# Allegro board RK_NVR_DEMO_RK3568_DDR4P216SD4_V12_20201221YWQ_final.brd (continued)
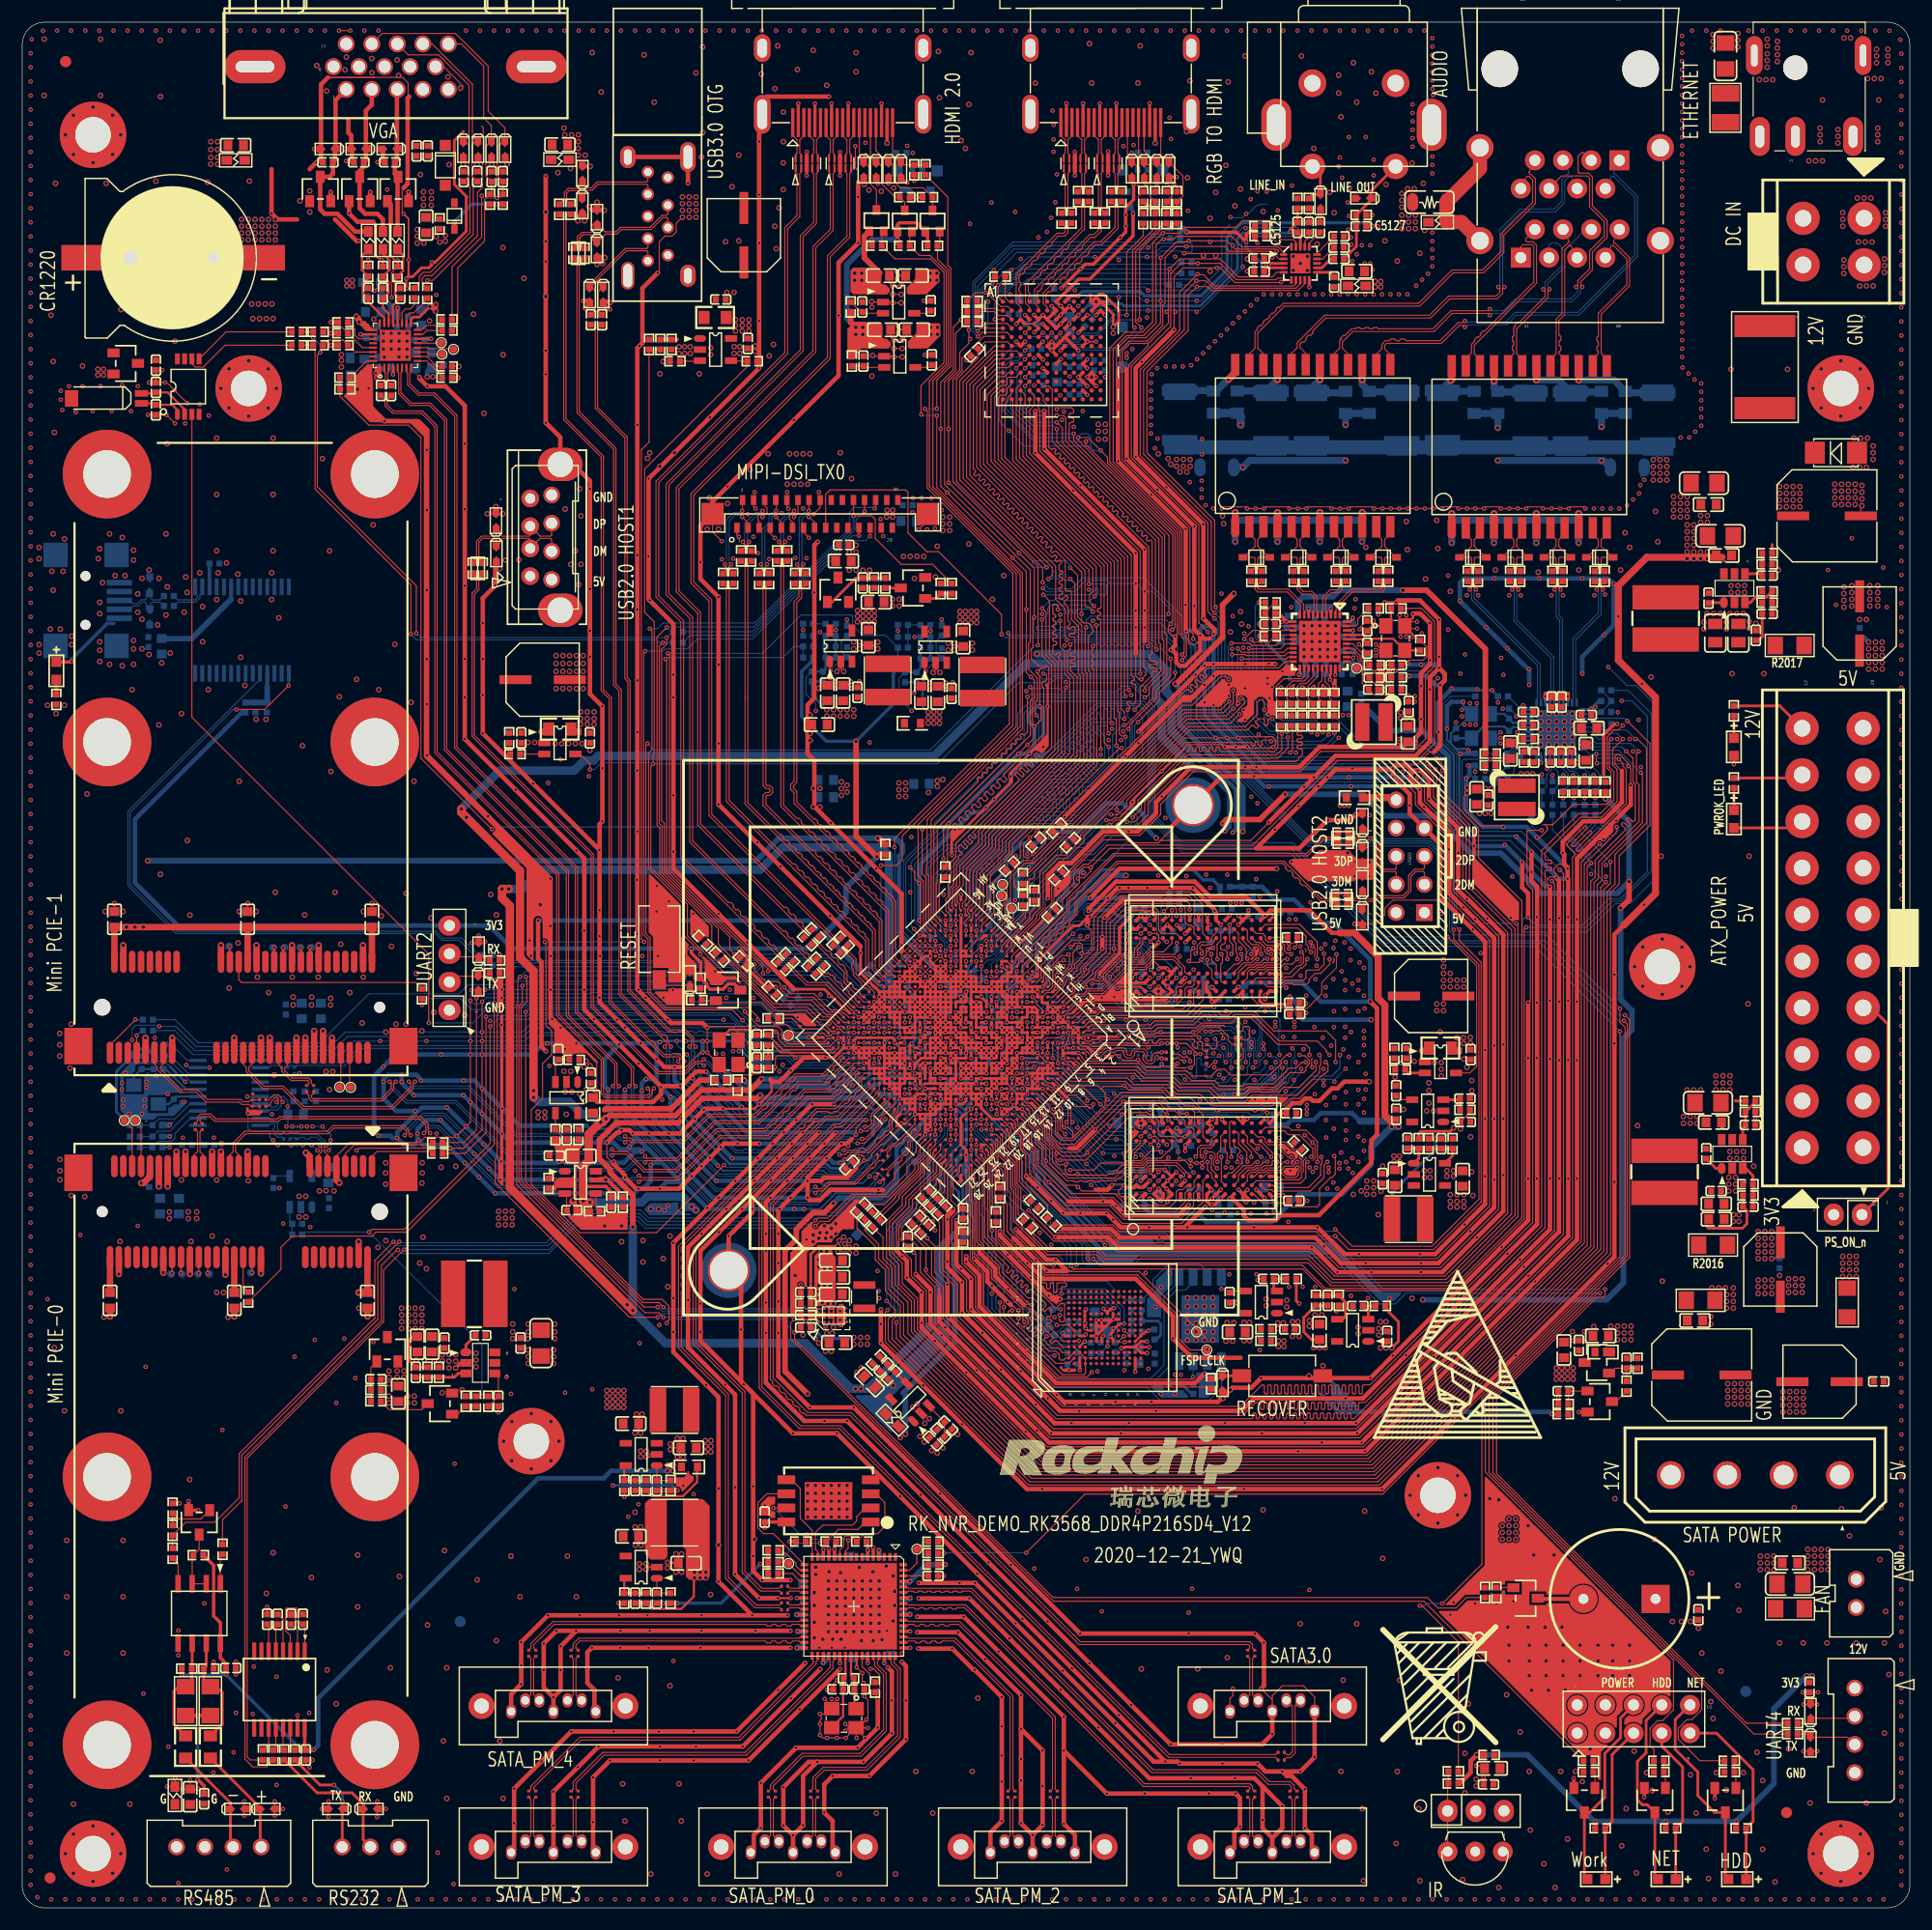
[diagram p0: board, top side]
## Footprints (pads in the part's own frame, mm; a bottom-side part is the same pattern mirrored in y, then rotated) (continued)
C0201
  rect 0.25x0.3 smd: 1(-0.275,0) 2(0.275,0)
C0402
  rect 0.55x0.55 smd: 1(-0.45,0) 2(0.45,0)
C0603
  rect 0.8x0.9 smd: 1(-0.7,0) 2(0.7,0)
C0805
  rect 0.95x1.3 smd: 1(-0.825,0) 2(0.825,0)
C1206
  rect 1.4x1.6 smd: 1(-1.168,0) 2(1.168,0)
C1206L
  oval 1.016x1.626 smd: 1(-1.524,0) 2(1.524,0)
CN2M_2R54_V_DIP
  oval 1.8x2 hole 1: 1(0,0) 2(2.54,0)
CN2M_2R54_V_P_DIP
  round 1.5 hole 1.02: 1(-1.27,0) 2(1.27,0)
CN3M_2R54_V_DIP
  oval 1.8x2 hole 1: 1(0,0) 2(2.54,0) 3(5.08,0)
CN3M_2R54_V_P_DIP
  round 1.5 hole 1.02: 1(-2.54,0) 2(0,0) 3(2.54,0)
CN4M_2R54_V_DIP
  oval 1.8x2 hole 1: 1(0,0) 2(2.54,0) 3(5.08,0) 4(7.62,0)
CN4M_2R54_V_P_DIP
  round 1.5 hole 1.02: 1(-3.81,0) 2(-1.27,0) 3(1.27,0) 4(3.81,0)
CNN4F_4R20_V_H_DIP
  round 3 hole 1.5: 1(0,0) 2(4.2,0) 3(0,-5.5) 4(4.2,-5.5)
CNN10M_2R54_V_DIP
  round 1.8 hole 1: 1(-5.14,-1.343) 2(-5.14,1.197) 3(-2.6,-1.343) 4(-2.6,1.197) 5(-0.06,-1.343) 6(-0.06,1.197) 7(2.48,-1.343) 8(2.48,1.197) 9(5.02,-1.343) 10(5.02,1.197)
CNN20F_4R20_V_H_DIP
  round 3 hole 1.5: 1(0,0) 2(4.2,0) 3(8.4,0) 4(12.6,0) 5(16.8,0) 6(20.999,0) 7(25.199,0) 8(29.399,0) 9(33.599,0) 10(37.799,0) 11(0,-5.5) 12(4.2,-5.5) 13(8.4,-5.5) 14(12.6,-5.5) 15(16.8,-5.5) 16(20.999,-5.5) 17(25.199,-5.5) 18(29.399,-5.5) 19(33.599,-5.5) 20(37.799,-5.5)
CNN30_1R00_FP05SL_V
  rect 0.5x0.9 smd: 1(-7.5,-1.25) 2(-7,1.25) 3(-6.5,-1.25) 4(-6,1.25) 5(-5.5,-1.25) 6(-5,1.25) 7(-4.5,-1.25) 8(-4,1.25) 9(-3.5,-1.25) 10(-3,1.25) 11(-2.5,-1.25) 12(-2,1.25) 13(-1.5,-1.25) 14(-1,1.25) 15(-0.5,-1.25) 16(0,1.25) 17(0.5,-1.25) 18(1,1.25) 19(1.5,-1.25) 20(2,1.25) 21(2.5,-1.25) 22(3,1.25) 23(3.5,-1.25) 24(4,1.25) 25(4.5,-1.25) 26(5,1.25) 27(5.5,-1.25) 28(6,1.25) 29(6.5,-1.25) 30(7,1.25)
  rect 2x2 smd: 31(-9.7,0) 32(9.7,0)
CRY2_6R90X1R40X1R30
  rect 1.2x0.6 smd: 1(-3.45,-0.46) 2(-3.45,0.44)
  rect 1.2x1.5 smd: 3(2.85,0)
CRY4_3R20X2R50X0R80
  rect 1.4x1.2 smd: 1(-1.1,-0.85) 2(1.1,-0.85) 3(1.1,0.85) 4(-1.1,0.85)
CSP20_1R96X1R56X0R66
  round 0.24 smd: A1(-0.6,0.8) A2(-0.2,0.8) A3(0.2,0.8) A4(0.6,0.8) B1(-0.6,0.4) B2(-0.2,0.4) B3(0.2,0.4) B4(0.6,0.4) C1(-0.6,0) C2(-0.2,0) C3(0.2,0) C4(0.6,0) D1(-0.6,-0.4) D2(-0.2,-0.4) D3(0.2,-0.4) D4(0.6,-0.4) E1(-0.6,-0.8) E2(-0.2,-0.8) E3(0.2,-0.8) E4(0.6,-0.8)
DC3_DC_0007_5P
  round 2.2 hole 2.2 unplated: (4.1,0)
  oval 3.5x1.8 hole 2x0.8: 1(10.3,-3.2) 2(10.3,0) 3(10.3,5.2)
  oval 3.5x1.5 hole 2x0.6: 4(3,6.1) 5(3,-3.7)
DO_214AC
  rect 1.8x2 smd: 1(1.9,0) 2(-1.9,0)
DSUB15B
  round 1.524 hole 1.1: 1(0,0) 2(2.3,0) 3(4.6,0) 4(6.9,0) 5(9.2,0) 6(-1.15,2.05) 7(1.15,2.05) 8(3.45,2.05) 9(5.75,2.05) 10(8.05,2.05) 11(0,4.1) 12(2.3,4.1) 13(4.6,4.1) 14(6.9,4.1) 15(9.2,4.1)
  oval 5.5x3 hole 3.5x1: 16(-8.225,2.05) 17(17.145,2.05)
E_C6
  rect 0.8x2.9 smd: 1(0,-2.45) 2(0,2.45)
E_E7
  rect 2.9x0.8 smd: 1(-3.05,0) 2(3.05,0)
ESD0402
  custom 0.868x0.636 smd: 1(-0.635,-0.02)
  custom 0.86x0.636 smd: 2(0.622,0)
F8050
  rect 2x5.5 smd: 1(-3.7,0) 2(3.7,0)
FBGA96_14R00X11R00X1R20
  round 0.38 smd: A1(-3.2,6) A2(-2.4,6) A3(-1.6,6) A7(1.6,6) A8(2.4,6) A9(3.2,6) B1(-3.2,5.2) B2(-2.4,5.2) B3(-1.6,5.2) B7(1.6,5.2) B8(2.4,5.2) B9(3.2,5.2) C1(-3.2,4.4) C2(-2.4,4.4) C3(-1.6,4.4) C7(1.6,4.4) C8(2.4,4.4) C9(3.2,4.4) D1(-3.2,3.6) D2(-2.4,3.6) D3(-1.6,3.6) D7(1.6,3.6) D8(2.4,3.6) D9(3.2,3.6) E1(-3.2,2.8) E2(-2.4,2.8) E3(-1.6,2.8) E7(1.6,2.8) E8(2.4,2.8) E9(3.2,2.8) F1(-3.2,2) F2(-2.4,2) F3(-1.6,2) F7(1.6,2) F8(2.4,2) F9(3.2,2) G1(-3.2,1.2) G2(-2.4,1.2) G3(-1.6,1.2) G7(1.6,1.2) G8(2.4,1.2) G9(3.2,1.2) H1(-3.2,0.4) H2(-2.4,0.4) H3(-1.6,0.4) H7(1.6,0.4) H8(2.4,0.4) H9(3.2,0.4) J1(-3.2,-0.4) J2(-2.4,-0.4) J3(-1.6,-0.4) J7(1.6,-0.4) J8(2.4,-0.4) J9(3.2,-0.4) K1(-3.2,-1.2) K2(-2.4,-1.2) K3(-1.6,-1.2) K7(1.6,-1.2) K8(2.4,-1.2) K9(3.2,-1.2) L1(-3.2,-2) L2(-2.4,-2) L3(-1.6,-2) L7(1.6,-2) L8(2.4,-2) L9(3.2,-2) M1(-3.2,-2.8) M2(-2.4,-2.8) M3(-1.6,-2.8) M7(1.6,-2.8) M8(2.4,-2.8) M9(3.2,-2.8) N1(-3.2,-3.6) N2(-2.4,-3.6) N3(-1.6,-3.6) N7(1.6,-3.6) N8(2.4,-3.6) N9(3.2,-3.6) P1(-3.2,-4.4) P2(-2.4,-4.4) P3(-1.6,-4.4) P7(1.6,-4.4) P8(2.4,-4.4) P9(3.2,-4.4) R1(-3.2,-5.2) R2(-2.4,-5.2) R3(-1.6,-5.2) R7(1.6,-5.2) R8(2.4,-5.2) R9(3.2,-5.2) T1(-3.2,-6) T2(-2.4,-6) T3(-1.6,-6) T7(1.6,-6) T8(2.4,-6) T9(3.2,-6)
HDMIA19_HDMI_01A
  rect 0.3x2.6 smd: 1(0,0) 2(0.5,0) 3(1,0) 4(1.5,0) 5(2,0) 6(2.5,0) 7(3,0) 8(3.5,0) 9(4,0) 10(4.5,0) 11(5,0) 12(5.5,0) 13(6,0) 14(6.5,0) 15(7,0) 16(7.5,0) 17(8,0) 18(8.5,0) 19(9,0)
  oval 1.5x3.5 hole 0.9x2.7: 20(11.75,0.76) 21(-2.75,0.76)
  oval 1.5x2.5 hole 0.9x1.7: 22(-2.75,6.72) 23(11.75,6.72)
HDR_USB
  rect 1.5x1.5 hole 1: 1(0,0)
  round 1.5 hole 1: 2(0,2.54) 3(2.54,0) 4(2.54,2.54) 5(5.08,0) 6(5.08,2.54) 7(7.62,0) 8(7.62,2.54) 10(10.16,2.54)
HOLE_C3R20_C6R00
  round 6 hole 3.2: 1(0,0)
IJ3_IRM_3638
  round 1.778 hole 0.89: 1(-2.489,0) 2(0,0) 3(2.489,0)
IND_252012
  rect 0.7x2 smd: 1(-1.05,0) 2(1.05,0)
IND_303015
  rect 3.4x1.3 smd: 1(0,1.05) 2(0,-1.05)
IND_404026
  rect 1.5x4 smd: 1(-1.5,0) 2(1.5,0)
IND_404030
  rect 1.5x4 smd: 1(-1.5,0) 2(1.5,0)
IND_606045
  rect 2.2x6 smd: 1(-1.9,0) 2(1.9,0)
L0603
  rect 0.965x0.8 smd: 1(-0.8,0) 2(0.8,0)
LED0603
  rect 0.9x0.9 smd: 1(-0.8,0) 2(0.8,0)
MARK
  round 1 smd: 1(0,0)
MINI_PCIE_SLOT
  round 1.5 hole 1.5 unplated: (-12.5,0)
  round 1 hole 1 unplated: (12.5,0)
  oval 0.6x2 smd: 1(-11.8,-4.1) 2(-11.4,4.1) 3(-11,-4.1) 4(-10.6,4.1) 5(-10.2,-4.1) 6(-9.8,4.1) 7(-9.4,-4.1) 8(-9,4.1) 9(-8.6,-4.1) 10(-8.2,4.1) 11(-7.8,-4.1) 12(-7.4,4.1) 13(-7,-4.1) 14(-6.6,4.1) 15(-6.2,-4.1) 16(-5.8,4.1) 17(-2.2,-4.1) 18(-1.8,4.1) 19(-1.4,-4.1) 20(-1,4.1) 21(-0.6,-4.1) 22(-0.2,4.1) 23(0.2,-4.1) 24(0.6,4.1) 25(1,-4.1) 26(1.4,4.1) 27(1.8,-4.1) 28(2.2,4.1) 29(2.6,-4.1) 30(3,4.1) 31(3.4,-4.1) 32(3.8,4.1) 33(4.2,-4.1) 34(4.6,4.1) 35(5,-4.1) 36(5.4,4.1) 37(5.8,-4.1) 38(6.2,4.1) 39(6.6,-4.1) 40(7,4.1) 41(7.4,-4.1) 42(7.8,4.1) 43(8.2,-4.1) 44(8.6,4.1) 45(9,-4.1) 46(9.4,4.1) 47(9.8,-4.1) 48(10.2,4.1) 49(10.6,-4.1) 50(11,4.1) 51(11.4,-4.1) 52(11.8,4.1)
  rect 2.54x3.3 smd: 53(-14.65,-3.5) 54(14.65,-3.5)
  round 8 hole 4.3: 55(-12.065,48.062) 56(12.065,48.062) 57(-12.065,23.912) 58(12.065,23.912)
PJ3_RCA_2X1
  oval 2.7x4.7 hole 1.7x3.7: (-7,0) (7,0)
  round 2.5 hole 1.5: 1(-3.75,3.75) 4(3.75,3.75)
  round 2.3 hole 1.3: 2(-3.75,-3.75) 3(3.75,-3.75)
QFN20_3R00X3R00X0R55_T
  oval 0.7x0.25 smd: 1(-1.5,0.8)
  rect 0.7x0.25 smd: 2(-1.5,0.4) 3(-1.5,0) 4(-1.5,-0.4) 5(-1.5,-0.8) 11(1.5,-0.8) 12(1.5,-0.4) 13(1.5,0) 14(1.5,0.4) 15(1.5,0.8)
  rect 0.25x0.7 smd: 6(-0.8,-1.5) 7(-0.4,-1.5) 8(0,-1.5) 9(0.4,-1.5) 10(0.8,-1.5) 16(0.8,1.5) 17(0.4,1.5) 18(0,1.5) 19(-0.4,1.5) 20(-0.8,1.5)
  rect 1.8x1.8 smd: 21(0,0)
QFN32_4R00X4R00X0R90_T
  oval 0.7x0.2 smd: 1(-2,1.4)
  rect 0.7x0.2 smd: 2(-2,1) 3(-2,0.6) 4(-2,0.2) 5(-2,-0.2) 6(-2,-0.6) 7(-2,-1) 8(-2,-1.4) 17(2,-1.4) 18(2,-1) 19(2,-0.6) 20(2,-0.2) 21(2,0.2) 22(2,0.6) 23(2,1) 24(2,1.4)
  rect 0.2x0.7 smd: 9(-1.4,-2) 10(-1,-2) 11(-0.6,-2) 12(-0.2,-2) 13(0.2,-2) 14(0.6,-2) 15(1,-2) 16(1.4,-2) 25(1.4,2) 26(1,2) 27(0.6,2) 28(0.2,2) 29(-0.2,2) 30(-0.6,2) 31(-1,2) 32(-1.4,2)
  rect 2.8x2.8 smd: 33(0,0)
QFN40_5R00X5R00X0R90_T
  rect 0.65x0.25 smd: 1(-2.4,1.8) 2(-2.4,1.4) 3(-2.4,1) 4(-2.4,0.6) 5(-2.4,0.2) 6(-2.4,-0.2) 7(-2.4,-0.6) 8(-2.4,-1) 9(-2.4,-1.4) 10(-2.4,-1.8) 21(2.4,-1.8) 22(2.4,-1.4) 23(2.4,-1) 24(2.4,-0.6) 25(2.4,-0.2) 26(2.4,0.2) 27(2.4,0.6) 28(2.4,1) 29(2.4,1.4) 30(2.4,1.8)
  rect 0.25x0.65 smd: 11(-1.8,-2.4) 12(-1.4,-2.4) 13(-1,-2.4) 14(-0.6,-2.4) 15(-0.2,-2.4) 16(0.2,-2.4) 17(0.6,-2.4) 18(1,-2.4) 19(1.4,-2.4) 20(1.8,-2.4) 31(1.8,2.4) 32(1.4,2.4) 33(1,2.4) 34(0.6,2.4) 35(0.2,2.4) 36(-0.2,2.4) 37(-0.6,2.4) 38(-1,2.4) 39(-1.4,2.4) 40(-1.8,2.4)
  rect 3.5x3.5 smd: 41(0,0)
QFN64_9R00X9R00X0R90_T
  rect 0.7x0.3 smd: 1(-4.45,3.75) 2(-4.45,3.25) 3(-4.45,2.75) 4(-4.45,2.25) 5(-4.45,1.75) 6(-4.45,1.25) 7(-4.45,0.75) 8(-4.45,0.25) 9(-4.45,-0.25) 10(-4.45,-0.75) 11(-4.45,-1.25) 12(-4.45,-1.75) 13(-4.45,-2.25) 14(-4.45,-2.75) 15(-4.45,-3.25) 16(-4.45,-3.75) 33(4.45,-3.75) 34(4.45,-3.25) 35(4.45,-2.75) 36(4.45,-2.25) 37(4.45,-1.75) 38(4.45,-1.25) 39(4.45,-0.75) 40(4.45,-0.25) 41(4.45,0.25) 42(4.45,0.75) 43(4.45,1.25) 44(4.45,1.75) 45(4.45,2.25) 46(4.45,2.75) 47(4.45,3.25) 48(4.45,3.75)
  rect 0.3x0.7 smd: 17(-3.75,-4.45) 18(-3.25,-4.45) 19(-2.75,-4.45) 20(-2.25,-4.45) 21(-1.75,-4.45) 22(-1.25,-4.45) 23(-0.75,-4.45) 24(-0.25,-4.45) 25(0.25,-4.45) 26(0.75,-4.45) 27(1.25,-4.45) 28(1.75,-4.45) 29(2.25,-4.45) 30(2.75,-4.45) 31(3.25,-4.45) 32(3.75,-4.45) 49(3.75,4.45) 50(3.25,4.45) 51(2.75,4.45) 52(2.25,4.45) 53(1.75,4.45) 54(1.25,4.45) 55(0.75,4.45) 56(0.25,4.45) 57(-0.25,4.45) 58(-0.75,4.45) 59(-1.25,4.45) 60(-1.75,4.45) 61(-2.25,4.45) 62(-2.75,4.45) 63(-3.25,4.45) 64(-3.75,4.45)
  rect 5x5 smd: 65(0,0)
R0201
  rect 0.25x0.3 smd: 1(-0.275,0) 2(0.275,0)
R0402
  rect 0.55x0.55 smd: 1(-0.45,0) 2(0.45,0)
R0603
  rect 0.65x0.8 smd: 1(-0.725,0) 2(0.725,0)
R0805
  rect 1x1.2 smd: 1(-1,0) 2(1,0)
R1206
  rect 1.4x1.6 smd: 1(-1.3,0) 2(1.3,0)
R1210
  rect 1.5x2.5 smd: 1(-1.3,0) 2(1.3,0)
RADIATOR_38RX38RX10R
  round 3.8 hole 3.4: 1(-20.92,-20.97) 2(20.92,20.97)
RJ45_SAE5F8002
  round 3.3 hole 3.3 unplated: (-10.795,-17.02) (1.895,-17.02)
  round 2.45 hole 1.6: 1(-12.575,-1.53) 2(3.675,-1.53) 3(-12.575,-9.91) 4(3.675,-9.91)
  rect 1.8x1.8 hole 1: A1(0,0) B1(-8.89,-8.77)
  round 1.8 hole 1: A2(-1.27,-2.54) A3(-2.54,0) A4(-3.81,-2.54) A5(-5.08,0) A6(-6.35,-2.54) A7(-7.62,0) A8(-8.89,-2.54) B2(-7.62,-6.23) B3(-6.35,-8.77) B4(-5.08,-6.23) B5(-3.81,-8.77) B6(-2.54,-6.23) B7(-1.27,-8.77) B8(0,-6.23)
RP2_0405
  rect 0.5x0.3 smd: 1(-0.625,-0.275) 2(0.625,-0.275) 3(-0.625,0.275) 4(0.625,0.275)
SATA30_7P_V_DIP
  oval 0.92x1.27 hole 0.74: 1(0,0) 2(-1.27,1) 3(-2.54,1) 4(-3.81,0) 5(-5.08,1) 6(-6.35,1) 7(-7.62,0)
  round 2.35 hole 1.35: 8(2.67,0.5) 9(-10.29,0.5)
SATA-IDE4M_5R08_DIP
  round 2.5 hole 1.8: 1(0,0) 2(5.08,0) 3(10.16,0) 4(15.24,0)
SMB_F
  rect 1.5x2.8 smd: 1(-2.45,0) 2(2.45,0)
SOD_123
  rect 1x1 smd: 1(-1.8,0) 2(1.8,0)
SOD_323
  rect 0.8x0.6 smd: 1(-1.2,0) 2(1.2,0)
SOIC24_17R53X12R20X5R51
  oval 0.76x1.95 smd: 1(-6.99,-7.303)
  rect 0.76x1.95 smd: 2(-5.72,-7.303) 3(-4.45,-7.303) 4(-3.18,-7.303) 5(-1.91,-7.303) 6(-0.64,-7.303) 7(0.64,-7.303) 8(1.91,-7.303) 9(3.18,-7.303) 10(4.45,-7.303) 11(5.72,-7.303) 12(6.985,-7.303) 13(6.985,7.303) 14(5.72,7.303) 15(4.45,7.303) 16(3.18,7.303) 17(1.91,7.303) 18(0.64,7.303) 19(-0.64,7.303) 20(-1.91,7.303) 21(-3.18,7.303) 22(-4.45,7.303) 23(-5.72,7.303) 24(-6.99,7.303)
SON10_2R50X1R00X0R50
  rect 0.2x0.68 smd: 1(-1,-0.437) 2(-0.5,-0.437) 4(0.5,-0.437) 5(1,-0.437) 6(1,0.437) 7(0.5,0.437) 9(-0.5,0.437) 10(-1,0.437)
  rect 0.4x0.75 smd: 3(0,-0.395) 8(0,0.395)
SOP8_4R00X5R00X1R75
  rect 0.5x1.6 smd: 1(-1.905,-2.675) 2(-0.635,-2.675) 3(0.635,-2.675) 4(1.905,-2.675) 5(1.905,2.675) 6(0.635,2.675) 7(-0.635,2.675) 8(-1.905,2.675)
SOT_23
  rect 0.8x1.1 smd: 1(-0.95,-1.1) 2(0.95,-1.1) 3(0,1.1)
SOT_23_5
  oval 1.1x0.6 smd: 1(0,0)
  rect 1.1x0.6 smd: 2(0,-1) 3(0,-2) 4(2.8,-2) 5(2.8,0)
SOT_23_6
  oval 1x0.7 smd: 1(-1.3,0.95)
  rect 1x0.7 smd: 2(-1.3,0) 3(-1.3,-0.95) 4(1.3,-0.95) 5(1.3,0) 6(1.3,0.95)
SOT_323
  rect 0.7x0.9 smd: 1(-0.65,-0.95) 2(0.65,-0.95) 3(0,0.95)
SSOP16_5R60X6R50X2R00
  rect 1.6x0.38 smd: 1(-3.45,2.275) 2(-3.45,1.625) 3(-3.45,0.975) 4(-3.45,0.325) 5(-3.45,-0.325) 6(-3.45,-0.975) 7(-3.45,-1.625) 8(-3.45,-2.275) 9(3.45,-2.275) 10(3.45,-1.625) 11(3.45,-0.975) 12(3.45,-0.325) 13(3.45,0.325) 14(3.45,0.975) 15(3.45,1.625) 16(3.45,2.275)
SSOP28_10R20X5R30X2R00
  rect 0.35x1.5 smd: 1(-4.225,-3.9) 2(-3.575,-3.9) 3(-2.925,-3.9) 4(-2.275,-3.9) 5(-1.625,-3.9) 6(-0.975,-3.9) 7(-0.325,-3.9) 8(0.325,-3.9) 9(0.975,-3.9) 10(1.625,-3.9) 11(2.275,-3.9) 12(2.925,-3.9) 13(3.575,-3.9) 14(4.225,-3.9) 15(4.225,3.9) 16(3.575,3.9) 17(2.925,3.9) 18(2.275,3.9) 19(1.625,3.9) 20(0.975,3.9) 21(0.325,3.9) 22(-0.325,3.9) 23(-0.975,3.9) 24(-1.625,3.9) 25(-2.275,3.9) 26(-2.925,3.9) 27(-3.575,3.9) 28(-4.225,3.9)
SW2_6R00X3R70X2R50
  rect 1.2x1.7 smd: 1(0,0) 2(0,7.3)
TP_0R70
  round 0.7 smd: 1(0,0)
TSSOP8_3R10X3R10X1R10
  oval 1x0.45 smd: 1(-2.5,0.975)
  rect 1x0.45 smd: 2(-2.5,0.325) 3(-2.5,-0.325) 4(-2.5,-0.975) 5(2.5,-0.975) 6(2.5,-0.325) 7(2.5,0.325) 8(2.5,0.975)
TSSOP20_6R50X4R40X1R20
  rect 1.55x0.3 smd: 1(-2.8,2.925) 2(-2.8,2.275) 3(-2.8,1.625) 4(-2.8,0.975) 5(-2.8,0.325) 6(-2.8,-0.325) 7(-2.8,-0.975) 8(-2.8,-1.625) 9(-2.8,-2.275) 10(-2.8,-2.925) 11(2.8,-2.925) 12(2.8,-2.275) 13(2.8,-1.625) 14(2.8,-0.975) 15(2.8,-0.325) 16(2.8,0.325) 17(2.8,0.975) 18(2.8,1.625) 19(2.8,2.275) 20(2.8,2.925)
USB20A4_UA04-DHF-PW137
  round 1.6 hole 0.92: 1(-3.5,0) 2(-1,0) 3(1,0) 4(3.5,0)
  oval 3x4 hole 2.3: 5(6.57,-2.71) 6(-6.57,-2.71)
USB20MIN5_USB_M5_03_002
  round 0.9 hole 0.9 unplated: (-0.18,-2.2) (-0.18,2.2)
  rect 2.286x0.508 smd: 1(2.875,1.6) 2(2.875,0.8) 3(2.875,0) 4(2.875,-0.8) 5(2.875,-1.6)
  rect 2.2x2.2 smd: 6(2.625,4.1) 7(2.625,-4.1) 8(-2.875,4.1) 9(-2.875,-4.1)
USB30A9_25R70X7R32X13R85
  round 1.1 hole 0.7: 1(-3.5,-0.9) 2(-1,-0.9) 3(1,-0.9) 4(3.5,-0.9) 5(4,0.9) 6(2,0.9) 7(0,0.9) 8(-2,0.9) 9(-4,0.9)
  oval 2.5x1.2 hole 2.1x0.8: 10(-5.35,2.71)
  oval 2x1.4 hole 1.4x0.7: 11(-5.35,-2.71) 13(5.35,2.71)
  oval 2.7x1.4 hole 2.1x0.8: 12(5.35,-2.71)
WSON8_8R00X6R00X0R80_T
  rect 0.8x1.6 smd: 1(-1.905,-3.8) 2(-0.635,-3.8) 3(0.635,-3.8) 4(1.905,-3.8) 5(1.905,3.8) 6(0.635,3.8) 7(-0.635,3.8) 8(-1.905,3.8)
  rect 3.4x4.3 smd: 9(0,0)

## Nets
DDR4_BG1/VSS: R3318.1 R3319.1 R3320.1 U3300.M9 U3301.M9
